# Altium PCB cat.PcbDoc (part 1 of 3) (continued)
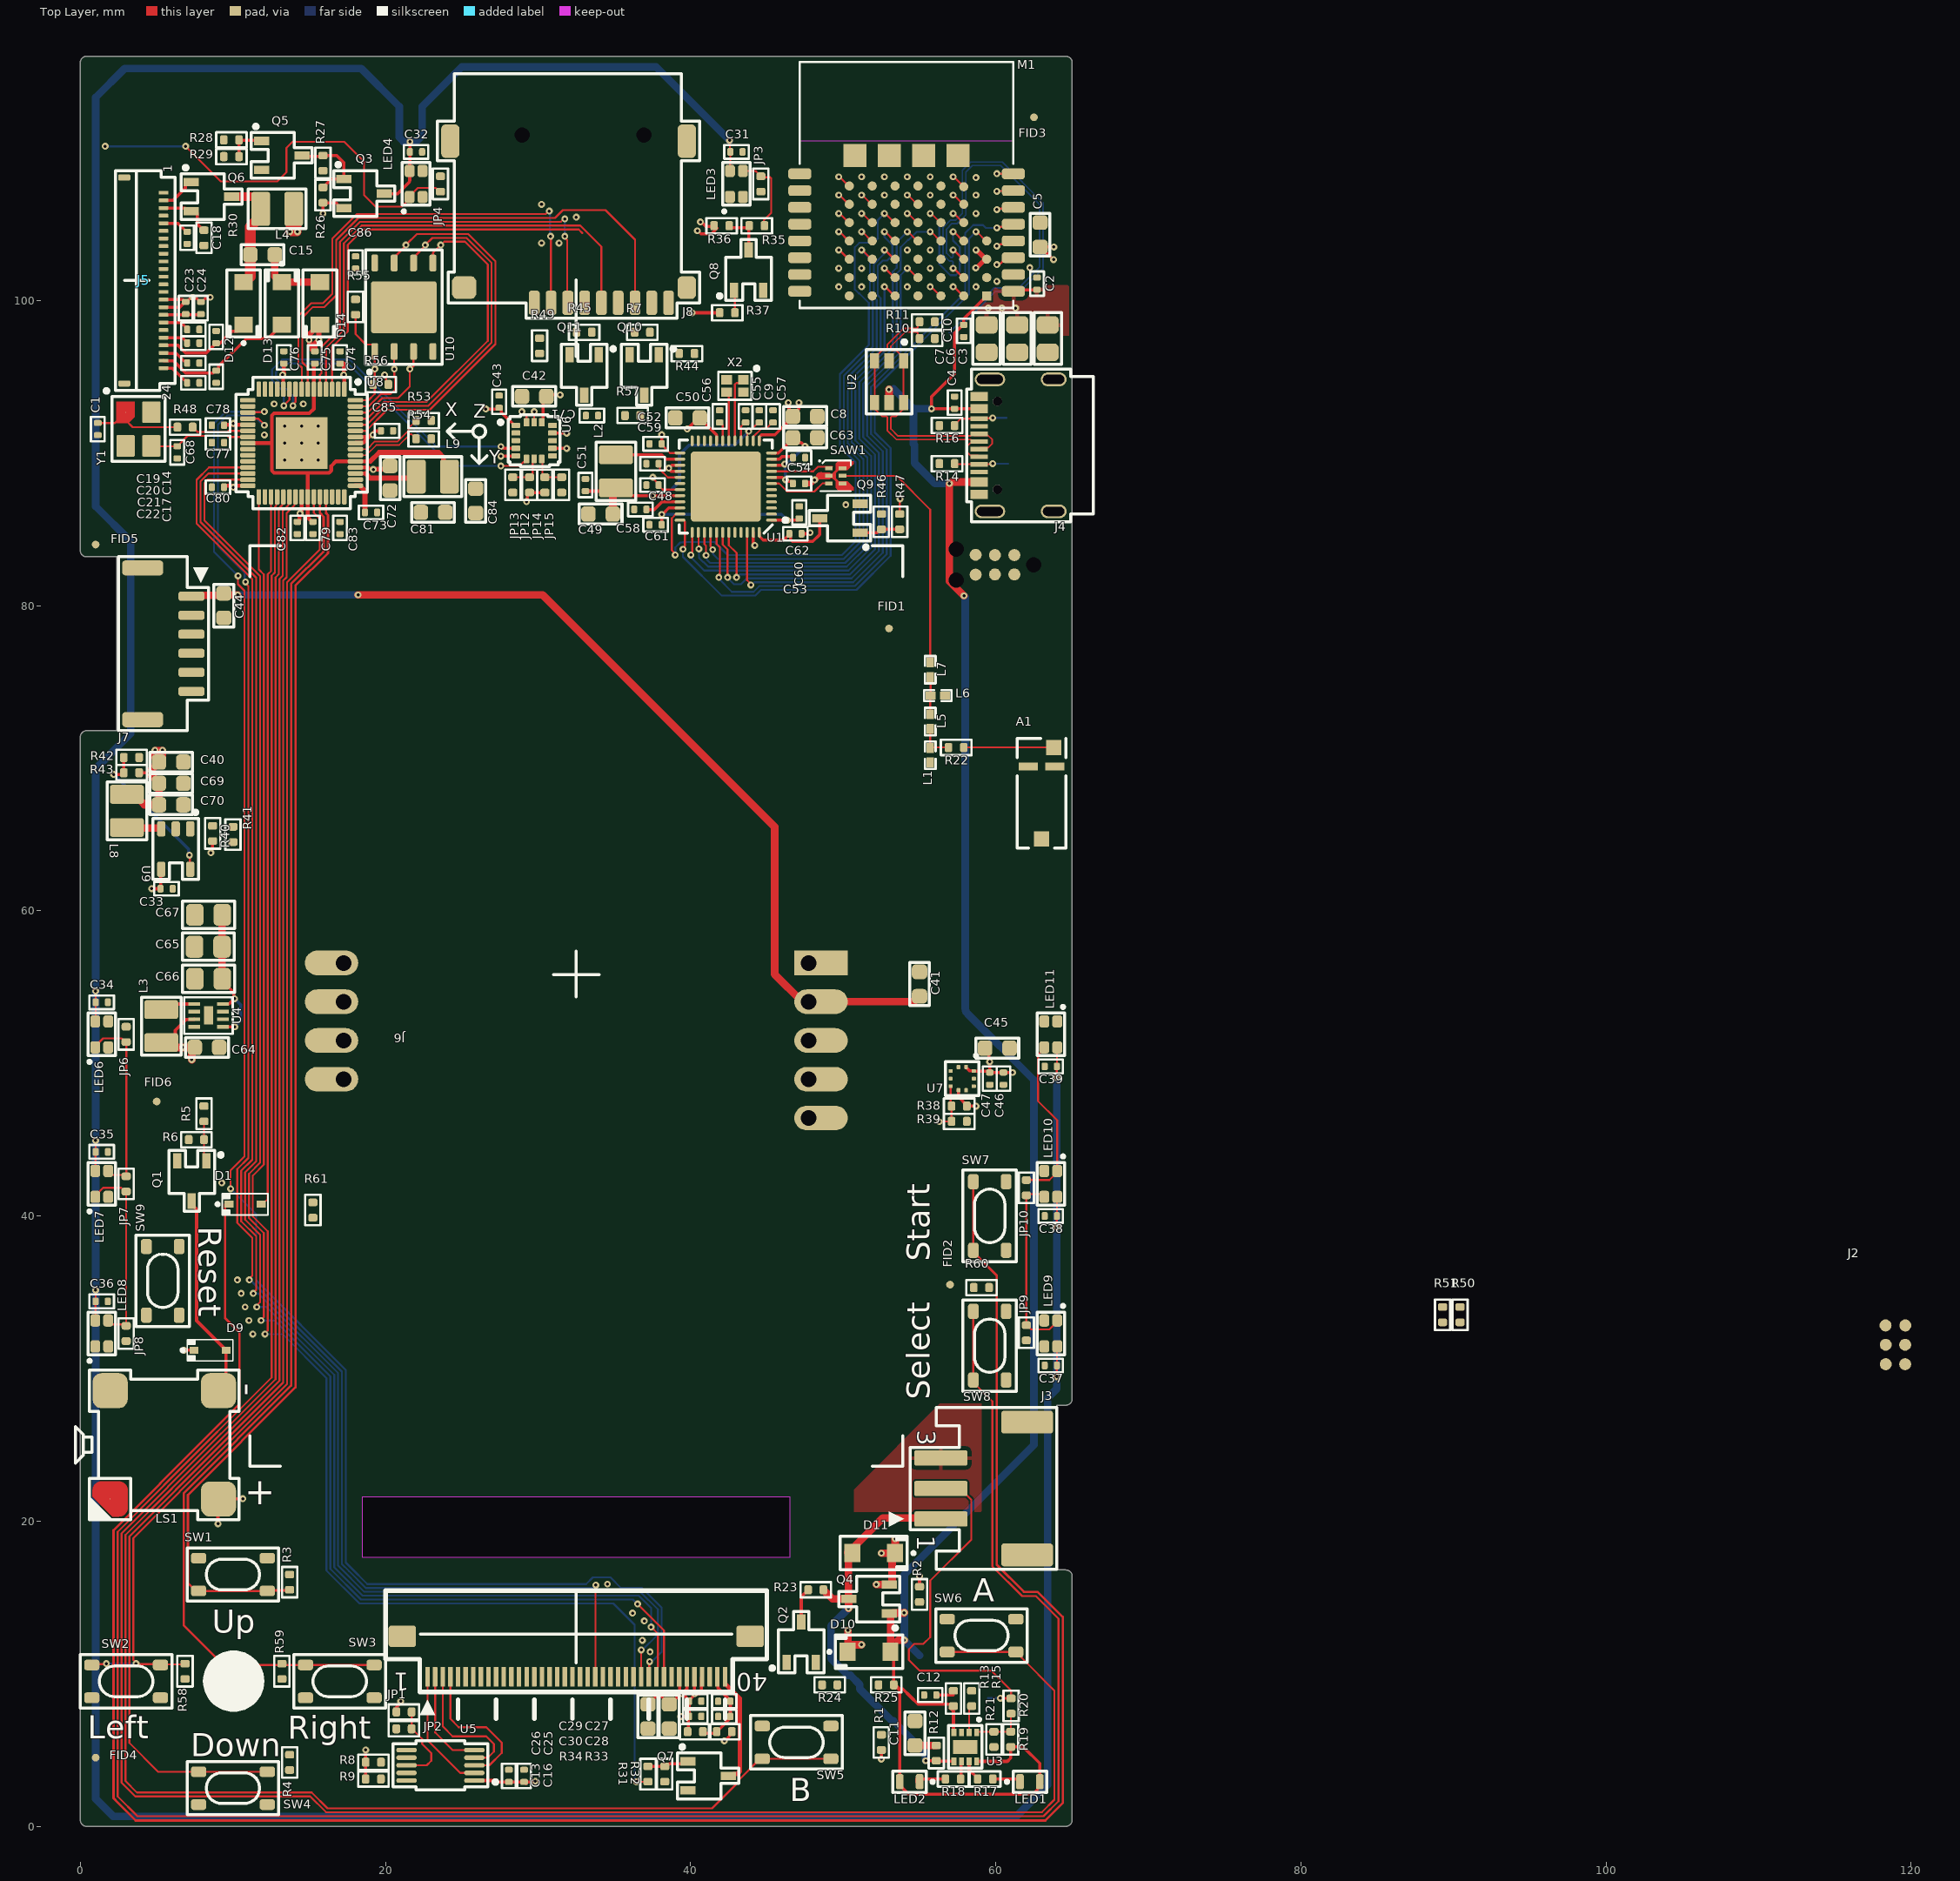
[diagram p0: Top Layer view]
## Design rules (kind name [scope] priority, off if disabled: settings)
BoardOutlineClearance ignore_silkscreen [OnLayer('Top Overlay') OR OnLayer('Bottom Overlay')] p1: gap=0 ignorepadtopadclearanceinfootprint=FALSE
BoardOutlineClearance [All] p2: gap=0.2 ignorepadtopadclearanceinfootprint=FALSE
Clearance HV_clearance [InNetClass('HV')] p1: gap=0.1 ignorepadtopadclearanceinfootprint=TRUE except(0.5: Arc-Arc Arc-Track Arc-SMDPad Arc-THPad Arc-Via Arc-Fill Arc-Poly Arc-Region Arc-Text Arc-Hole Track-Track Track-SMDPad Track-THPad Track-Via Track-Fill Track-Poly Track-Region Track-Text Track-Hole; 1.2: SMDPad-SMDPad SMDPad-THPad THPad-THPad)
Clearance rf_nonsense_3 [HasFootprint('ANTENNA_FILTER')       OR HasFootprint('ANTENNA')] p2: gap=0 ignorepadtopadclearanceinfootprint=FALSE
Clearance 5v_polygon_clearance [(InNet('+5V') AND InPolygon)] p3: gap=0.254 ignorepadtopadclearanceinfootprint=FALSE
Clearance fiducial [HasFootprint('fiducial-0.5')] p4: gap=0.5 ignorepadtopadclearanceinfootprint=FALSE
Clearance outer_layer_clearance [OnLayer('Bottom Layer')   OR OnLayer('Top Layer')] p5: gap=0.127 ignorepadtopadclearanceinfootprint=TRUE except(0.152: Arc-THPad Arc-Via Arc-Text Arc-Hole Track-THPad Track-Via Track-Text Track-Hole SMDPad-SMDPad SMDPad-THPad SMDPad-Via SMDPad-Text SMDPad-Hole THPad-Text Via-Text Fill-Text Fill-Hole Poly-Text Poly-Hole Region-Text Region-Hole Text-Text Text-Hole; 0.231: Via-Hole; 0.356: THPad-THPad THPad-Via THPad-Hole)
Clearance inner_layer_clearance [All] p6: gap=0.152 ignorepadtopadclearanceinfootprint=TRUE except(0.102: Arc-Arc Arc-Track Track-Track; 0.127: Arc-Fill Arc-Poly Arc-Region Track-Fill Track-Poly Track-Region SMDPad-Fill SMDPad-Poly SMDPad-Region THPad-Fill THPad-Poly THPad-Region Via-Via Via-Fill Via-Poly Via-Region Fill-Fill Fill-Poly Fill-Region Poly-Poly Poly-Region Region-Region; 0.231: Via-Hole; 0.356: THPad-THPad THPad-Via THPad-Hole)
ComponentClearance fiducial_clearance [HasFootprint('FIDUCIAL')] p1: gap=0 collisioncheckmode=3 verticalgap=0 showdistances=FALSE
ComponentClearance [All] p2: gap=0.17 collisioncheckmode=3 verticalgap=0.254 showdistances=FALSE
DiffPairsRouting [All] p1: maxlimit=0.127 minlimit=0.127 mostfreqgap=0.127 toplayer_minwidth=0.105 toplayer_maxwidth=0.105 toplayer_prefwidth=0.105 midlayer1_minwidth=0.093 midlayer1_maxwidth=0.093 midlayer1_prefwidth=0.093 midlayer2_minwidth=0.093 midlayer2_maxwidth=0.093 midlayer2_prefwidth=0.093 bottomlayer_minwidth=0.105 bottomlayer_maxwidth=0.105 bottomlayer_prefwidth=0.105 impedanceprofiledriven=TRUE impedanceprofileid={DAE47B77-B9C6-40A8-8105-E02AD20DBAE9} impedanceprofilevalue=90.000000 maxuncoupledlength=12.7
HoleSize [All] p1: absolutevalues=TRUE maxlimit=1288.839 minlimit=0.2 maxpercent=80.000 minpercent=20.000
HoleToHoleClearance via-to-via_clearance [IsVia] p1: gap=0.2 allowstackedmicrovias=TRUE
HoleToHoleClearance [All] p2: gap=0.35 allowstackedmicrovias=TRUE
MinimumAnnularRing wurth_usb-c [HasFootprint('632723300011')] p1: minimumring=0.125
MinimumAnnularRing via_annular_ring [IsVia] p2: minimumring=0.1
MinimumAnnularRing annular_ring [All] p3: minimumring=0.13
MinimumSolderMaskSliver [All] p1: minsoldermaskwidth=0
NetAntennae rf_nonsense2 [InNet('GPIO69')] p1: netantennaetolerance=5
NetAntennae [All] p2: netantennaetolerance=0
PlaneConnect [All] p1: pad.planeconnectstyle=Relief pad.reliefexpansion=0.508 pad.reliefentries=4 pad.reliefconductorwidth=0.254 pad.reliefairgap=0.254 via.planeconnectstyle=Direct via.reliefexpansion=0.508 via.reliefentries=4 via.reliefconductorwidth=0.254 via.reliefairgap=0.254
PolygonConnect art_polygons [OnLayer('Art Purple')        or OnLayer('Art Pink')] p1: connectstyle=Direct reliefconductorwidth=0.254 reliefentries=4 polygonreliefangle="90 Angle" airgapwidth=0.254
PolygonConnect antenna [HasFootprint('ANTENNA')] p2: connectstyle=Direct reliefconductorwidth=0.254 reliefentries=4 polygonreliefangle="90 Angle" airgapwidth=0.254
PolygonConnect trinamic [InPadClass('thermal_pad')] p3: connectstyle=Direct reliefconductorwidth=0.254 reliefentries=4 polygonreliefangle="90 Angle" airgapwidth=0.254
PolygonConnect mounting_holes [HasFootprint('m3_hole')] p4: connectstyle=Direct reliefconductorwidth=0.254 reliefentries=4 polygonreliefangle="90 Angle" airgapwidth=0.254
PolygonConnect 5v_polygons [InNet('+5V')] p5: thpad.connectstyle=Relief thpad.reliefconductorwidth=0.508 thpad.reliefentries=4 thpad.polygonreliefangle="45 Angle" thpad.airgapwidth=0.254 smdpad.connectstyle=Relief smdpad.reliefconductorwidth=0.508 smdpad.reliefentries=4 smdpad.polygonreliefangle="90 Angle" smdpad.airgapwidth=0.254 via.connectstyle=Direct via.reliefconductorwidth=0.254 via.reliefentries=4 via.polygonreliefangle="90 Angle" via.airgapwidth=0.254
PolygonConnect [All] p6: thpad.connectstyle=Relief thpad.reliefconductorwidth=0.254 thpad.reliefentries=4 thpad.polygonreliefangle="45 Angle" thpad.airgapwidth=0.254 smdpad.connectstyle=Relief smdpad.reliefconductorwidth=0.254 smdpad.reliefentries=4 smdpad.polygonreliefangle="90 Angle" smdpad.airgapwidth=0.254 via.connectstyle=Direct via.reliefconductorwidth=0.254 via.reliefentries=4 via.polygonreliefangle="90 Angle" via.airgapwidth=0.254
RoutingVias [All] p1: holewidth=0.2 width=0.45 viastyle="Through Hole" minholewidth=0.2 minwidth=0.45 maxholewidth=0.3 maxwidth=3
ShortCircuit rf_nonsense [InNet('Net*_MAGIC_IN')] p1: allowed=TRUE
ShortCircuit [All] p2: allowed=FALSE
SilkToSilkClearance [All] p1: silktosilkclearance=0
SilkToSolderMaskClearance [IsPad] p1: minsilkscreentomaskgap=0 clearancetoexposedcopper=TRUE
SolderMaskExpansion SolderMask_ViaTent [IsVia] p1: expansion=0.102 istentingtop=TRUE
SolderMaskExpansion [All] p2: expansion=0.05 istentingtop=FALSE
Width 50Z [InNetClass('RF')] p1: maxlimit=0.119 minlimit=0.104 preferedwidth=0.119 toplayer_minwidth=0.119 midlayer1_maxwidth=0.104 midlayer1_prefwidth=0.104 midlayer2_maxwidth=0.104 midlayer2_prefwidth=0.104 bottomlayer_minwidth=0.119 impedanceprofiledriven=TRUE impedanceprofileid={4F6D7264-9E3B-4977-9862-53ED1651440D} impedanceprofilevalue=50.000000 minimp=50.000000 maximp=50.000000 favimp=50.000000
Width Width_1 [All] p2: maxlimit=3 minlimit=0.102 preferedwidth=0.127
20 further rules are at their usual default settings.

## Classes and differential pairs
component class radios: A1 C2 C3 C4 C5 C6 C7 C8 C9 C48 C49 C50 C51 C52 C53 C54 C55 C56 C57 C58 C59 C60 C61 C62 C63 J1 L1 L2 L5 L6 L7 M1 Q9 R8 R9 R10 R11 R22 R46 R47 SAW1 U1 X2
net class RF: ANTWIFI NetL1_2 NetL5_2 NetL7_2 NetSAW1_1 NetSAW1_3
component class sensors: C41 C42 C43 C44 C45 C46 C47 J7 JP12 JP13 JP14 JP15 M2 R38 R39 U6 U7
component class blinkenlights: C31 C32 C34 C35 C36 C37 C38 C39 JP3 JP4 JP6 JP7 JP8 JP9 JP10 LED3 LED4 LED6 LED7 LED8 LED9 LED10 LED11 Q8 R35 R36 R37 s
component class display: a C13 C14 C15 C16 C17 C18 C19 C20 C21 C22 C23 C24 C25 C26 C27 C28 C29 C30 D12 D13 D14 J5 J6 JP1 JP2 L4 Q6 Q7 R30 R31 R32 R33 R34 U5
differential pair class USB_DIFF: 2350 nRF USB0 USB1
net class 90_OHM: 2350_D+ 2350_D- nRF_D+ nRF_D- USB0_D+ USB0_D- USB1_D+ USB1_D-
component class power: C10 C11 C12 C33 C40 C64 C65 C66 C67 C69 C70 D10 D11 J3 J4 L3 L8 LED1 LED2 Q2 Q3 Q4 Q5 Q10 Q11 R7 R12 R13 R14 R15 R16 R17 R18 R19 R20 R21 R23 R24 R25 R26 R27 R28 R29 R40 R41 R42 R43 R44 R45 R57 U2 U3 U4 U9
component class microcontroller: C1 C68 C71 C72 C73 C74 C75 C76 C77 C78 C79 C80 C81 C82 C83 C84 C85 C86 FID1 FID2 FID3 FID4 FID5 FID6 J2 J8 L9 R48 R49 R50 R51 R53 R54 R55 R56 U8 U10 Y1
component class user_interface: D1 D9 LS1 Q1 R1 R2 R3 R4 R5 R6 R58 R59 R60 R61 SW1 SW2 SW3 SW4 SW5 SW6 SW7 SW8 SW9
differential pair nRF: +nRF_D+ -nRF_D-
differential pair 2350: +2350_D+ -2350_D-
differential pair USB1: +USB1_D+ -USB1_D-
differential pair USB0: +USB0_D+ -USB0_D-

## Components (designator, comment, footprint, x,y, rotation, side; value= is the part's Value field where it differs from the comment)
A1 "" NN03-320 63,67.7 r90 top locked value=NN03-320
C1 "CC0402JRNPO9BN270" 0402_capacitor 1.143,91.567 r90 top value=27pF
C2 "GRM155R71E104KE14D" 0402_capacitor 62.7,101.1 r90 top
C3 "GRT21BR61E226ME13L" 0805_capacitor 63.4,97.5 r90 top value=22μF
C4 "GRM155R71E104KE14D" 0402_capacitor 57.3,93.3 r90 top
C5 "CL10A106MA8NRNC" 0603_capacitor 62.9,104.3 r270 top value=10µF
C6 "GRT21BR61E226ME13L" 0805_capacitor 61.4,97.5 r90 top value=22μF
C7 "GRT21BR61E226ME13L" 0805_capacitor 59.4,97.5 r90 top value=22μF
C8 "C1608X5R1E475K080AC" 0603_capacitor 47.5,92.4 r180 top value=4.7μF
C9 "CL05Y474KP5VPJC" 0402_capacitor 44.5,92.4 r90 top
C10 "GRM155R71E104KE14D" 0402_capacitor 57.9,98 r90 top
C11 "CL10A106MA8NRNC" 0603_capacitor 54.7,6.1 r270 top value=10µF
C12 "CL05A475KP5NRNC" 0402_capacitor 55.7,8.6 r0 top value=4.7µF
C13 "GRM155R61E105KA12D" 0402_capacitor 28.083,3.302 r270 top
C14 "GRM155R61E105KA12D" 0402_capacitor 8.9,97.6 r270 top
C15 "C1608X5R1E475K080AC" 0603_capacitor 11.938,102.997 r0 top value=4.7μF
C16 "GRM155R71E104KE14D" 0402_capacitor 29.083,3.302 r270 top
C17 "GRM155R61E105KA12D" 0402_capacitor 8.9,95 r90 top
C18 "GRM155R61E105KA12D" 0402_capacitor 7,104.1 r90 top
C19 "GRM155R61E105KA12D" 0402_capacitor 7.4,98.1 r180 top
C20 "GRM155R61E105KA12D" 0402_capacitor 7.4,97.2 r180 top
C21 "GRM155R61E105KA12D" 0402_capacitor 7.4,95.9 r180 top
C22 "GRM155R61E105KA12D" 0402_capacitor 7.4,94.6 r180 top
C23 "GRM155R61E105KA12D" 0402_capacitor 6.9,99.5 r90 top
C24 "GRM155R71E104KE14D" 0402_capacitor 7.9,99.5 r90 top
C25 "CL10A106MA8NRNC" 0603_capacitor 38.6,7.2 r90 top value=10µF
C26 "CL10A106MA8NRNC" 0603_capacitor 37.2,7.2 r90 top value=10µF
C27 "GRM155R71E104KE14D" 0402_capacitor 42.2,8.2 r0 top
C28 "GRM155R71E104KE14D" 0402_capacitor 42.2,7.2 r0 top
C29 "GRM155R71E104KE14D" 0402_capacitor 40.3,8.2 r180 top
C30 "GRM155R71E104KE14D" 0402_capacitor 40.3,7.2 r180 top
C31 "GRM155R71E104KE14D" 0402_capacitor 43,109.735 r180 top
C32 "GRM155R71E104KE14D" 0402_capacitor 22,109.735 r180 top
C33 "CL05A475KP5NRNC" 0402_capacitor 5.649,61.446 r180 top value=4.7µF
C34 "GRM155R71E104KE14D" 0402_capacitor 1.4,54 r180 top
C35 "GRM155R71E104KE14D" 0402_capacitor 1.4,44.2 r180 top
C36 "GRM155R71E104KE14D" 0402_capacitor 1.4,34.4 r180 top
C37 "GRM155R71E104KE14D" 0402_capacitor 63.6,30.2 r0 top
C38 "GRM155R71E104KE14D" 0402_capacitor 63.6,40 r0 top
C39 "GRM155R71E104KE14D" 0402_capacitor 63.6,49.8 r0 top
C40 "CL10A106MA8NRNC" 0603_capacitor 5.949,69.746 r180 top value=10µF
C41 "CL10A106MA8NRNC" 0603_capacitor 55,55.2 r270 top value=10µF
C42 "CL10A106MA8NRNC" 0603_capacitor 29.742,93.712 r0 top value=10µF
C43 "GRM155R71E104KE14D" 0402_capacitor 27.442,93.362 r270 top
C44 "CL10A106MA8NRNC" 0603_capacitor 9.4,80 r90 top value=10µF
C45 "CL10A106MA8NRNC" 0603_capacitor 60.1,51 r180 top value=10µF
C46 "GRM155R71E104KE14D" 0402_capacitor 60.5,49 r90 top
C47 "GRM155R71E104KE14D" 0402_capacitor 59.6,49 r90 top
C48 "GRM155R61E105KA12D" 0402_capacitor 37.5,87.9 r0 top
C49 "C1608X5R1E475K080AC" 0603_capacitor 34.1,86 r0 top value=4.7μF
C50 "C1608X5R1E475K080AC" 0603_capacitor 39.8,92.3 r0 top value=4.7μF
C51 "GCM155R71C224KE02D" 0402_capacitor 33.1,87.901 r270 top value=220nF
C52 "GRM155D71C225ME11D" 0402_capacitor 37.7,90.6 r0 top value=2.2μF
C53 "GRM155D71C225ME11D" 0402_capacitor 46.863,84.709 r180 top value=2.2μF
C54 "CL05Y474KP5VPJC" 0402_capacitor 47.1,89.7 r180 top
C55 "GRM155D71C225ME11D" 0402_capacitor 43.6,92.4 r270 top value=2.2μF
C56 "GRM155R61E105KA12D" 0402_capacitor 41.9,92.4 r270 top
C57 "C0402C223K4RECAUTO" 0402_capacitor 45.4,92.4 r90 top value=22nF
C58 "GRM155R61E105KA12D" 0402_capacitor 36.7,86.3 r0 top
C59 "CL05B103KA5NNNC" 0402_capacitor 37.5,89.3 r0 top
C60 "GRM155D71C225ME11D" 0402_capacitor 47.117,86.106 r270 top value=2.2μF
C61 "GRM155R71E104KE14D" 0402_capacitor 37.7,85.3 r180 top
C62 "GRM155R71E104KE14D" 0402_capacitor 47.1,88 r0 top
C63 "C1608X5R1E475K080AC" 0603_capacitor 47.5,91 r180 top value=4.7μF
C64 "C1608X5R1E475K080AC" 0603_capacitor 8.301,51.042 r180 top value=4.7μF
C65 "GRT21BR61E226ME13L" 0805_capacitor 8.384,57.642 r0 top value=22μF
C66 "GRT21BR61E226ME13L" 0805_capacitor 8.401,55.542 r0 top value=22μF
C67 "GRT21BR61E226ME13L" 0805_capacitor 8.401,59.733 r0 top value=22μF
C68 "CC0402JRNPO9BN270" 0402_capacitor 6.35,90.043 r90 top value=27pF
C69 "CL10A106MA8NRNC" 0603_capacitor 5.949,68.346 r180 top value=10µF
C70 "CL10A106MA8NRNC" 0603_capacitor 5.949,66.946 r180 top value=10µF
C71 "GRM155R71E104KE14D" 0402_capacitor 33.528,92.456 r180 top
C72 "CL10A106MA8NRNC" 0603_capacitor 20.3,88.354 r90 top value=10µF
C73 "GRM155R71E104KE14D" 0402_capacitor 19.05,86.106 r180 top
C74 "GRM155R71E104KE14D" 0402_capacitor 17.018,96.266 r270 top
C75 "GRM155R71E104KE14D" 0402_capacitor 15.367,96.266 r270 top
C76 "GRM155R71E104KE14D" 0402_capacitor 13.335,96.266 r270 top
C77 "GRM155R71E104KE14D" 0402_capacitor 9.017,90.678 r0 top
C78 "GRM155R71E104KE14D" 0402_capacitor 9.017,91.821 r0 top
C79 "GRM155R71E104KE14D" 0402_capacitor 15.24,85.09 r90 top
C80 "GRM155R71E104KE14D" 0402_capacitor 9.017,87.757 r0 top
C81 "CL10A106MA8NRNC" 0603_capacitor 23.114,86.106 r0 top value=10µF
C82 "GRM155R71E104KE14D" 0402_capacitor 14.224,85.09 r90 top
C83 "GRM155R71E104KE14D" 0402_capacitor 17.018,85.09 r90 top
C84 "CL10A106MA8NRNC" 0603_capacitor 25.908,86.868 r90 top value=10µF
C85 "GRM155R71E104KE14D" 0402_capacitor 20.1,91.454 r180 top
C86 "GRM155R71E104KE14D" 0402_capacitor 18.034,102.489 r90 top
D1 "BAS316,115" SOD-323 10.795,40.767 r0 top
D9 "BAS316,115" SOD-323 8.5,31.2 r0 top
D10 "SS34FA" SOD-123 51.689,11.43 r0 top
D11 "SS34FA" SOD-123 52,17.9 r180 top
D12 "SS2040FL" SOD-123 10.7,99.8 r90 top
D13 "SS2040FL" SOD-123 13.2,99.8 r270 top
D14 "SS2040FL" SOD-123 15.7,99.8 r90 top
FID1 "fiducial" fiducial-0.5 53,78.5 r90 top
FID2 "fiducial" fiducial-0.5 57,35.5 r90 top
FID3 "fiducial" fiducial-0.5 62.5,112 r90 top
FID4 "fiducial" fiducial-0.5 1,4.5 r90 top
FID5 "fiducial" fiducial-0.5 1,84 r90 top
FID6 "fiducial" fiducial-0.5 5,47.5 r90 top
J1 "SWD Debug" debug_header_dual 62.484,82.677 r180 bottom
J2 "2350 SWD" debug_header_dual 118.963,29.016 r90 top
J3 "Battery Connector" S3B-PH-SM4-TB 59.2,22.137 r270 top
J4 "USB-C" USB_C_2.0_M12 62.4,90.5 r90 top
J5 "E-Paper: E2206KS0E1" E2206KS0E1 32.5,98.835 r0 top locked
J6 "LCD: CH240QV23A-T" CH240QV23A-T 32.5,48 r270 top locked
J7 "SEN55" SM06B-GHS-TB 5,77.5 r270 top
J8 "Micro SD" TF-115YY-BCP9 32,106.343 r180 top locked
JP1 "RC0402FR-070RL" 0402_resistor 21.209,7.493 r0 top value=0Ω
JP2 "RC0402FR-070RL" 0402_resistor 21.209,6.393 r180 top value=0Ω
JP3 "RC0402FR-070RL" 0402_resistor 44.6,107.635 r270 top value=0Ω
JP4 "RC0402FR-070RL" 0402_resistor 23.6,107.635 r270 top value=0Ω
JP6 "RC0402FR-070RL" 0402_resistor 3,51.9 r270 top value=0Ω
JP7 "RC0402FR-070RL" 0402_resistor 3,42.1 r270 top value=0Ω
JP8 "RC0402FR-070RL" 0402_resistor 3,32.3 r270 top value=0Ω
JP9 "RC0402FR-070RL" 0402_resistor 62,32.345 r90 top value=0Ω
JP10 "RC0402FR-070RL" 0402_resistor 62,41.85 r90 top value=0Ω
JP12 "RC0402FR-070RL" 0402_resistor 29.442,87.912 r90 top value=0Ω
JP13 "RC0402FR-070RL" 0402_resistor 28.342,87.912 r270 top value=0Ω
JP14 "RC0402FR-070RL" 0402_resistor 30.442,87.912 r90 top value=0Ω
JP15 "RC0402FR-070RL" 0402_resistor 31.542,87.912 r270 top value=0Ω
L1 "" INDC1005X04L 55.7,70.2 r90 top value=7.5nH
L2 "DFE252012F-3R3M=P2" INDC2520X12N 35.1,88.8 r90 top value=3.3μH
L3 "252012CDMCDDS-1R0MC" INDC2520X12N 5.301,52.442 r90 top value=1.0μH
L4 "PA4335.103NLT" INDC2520X12N 12.9,106 r180 top value=10uH
L5 "" INDC1005X04L 55.7,72.4 r90 top value=2.7nH
L6 "" INDC1005X04L 56.2,74.1 r180 top value=7.5nH
L7 "" INDC1005X04L 55.7,75.8 r90 top value=2.7nH
L8 "252012CDMCDDS-1R0MC" INDC2520X12N 3.049,66.546 r90 top value=1.0μH
L9 "DFE252012F-3R3M=P2" INDC2520X12N 23.1,88.454 r0 top value=3.3μH
LED1 "XL-1608SURC-06" 0603_DIODE 62.23,2.921 r0 top
LED2 "XL-1608UGC-04" 0603_DIODE 54.356,2.921 r180 top
LED3 "E-paper Right" XL-1615RGBC-WS2812B 43,107.635 r90 top
LED4 "E-Paper Left" XL-1615RGBC-WS2812B 22,107.635 r90 top
LED6 "XL-1615RGBC-WS2812B" XL-1615RGBC-WS2812B 1.4,51.9 r90 top
LED7 "WS2812B" XL-1615RGBC-WS2812B 1.4,42.1 r90 top
LED8 "XL-1615RGBC-WS2812B" XL-1615RGBC-WS2812B 1.4,32.3 r90 top
LED9 "WS2812B" XL-1615RGBC-WS2812B 63.6,32.3 r270 top
LED10 "XL-1615RGBC-WS2812B" XL-1615RGBC-WS2812B 63.6,42.1 r270 top
LED11 "WS2812B" XL-1615RGBC-WS2812B 63.6,51.9 r270 top
LS1 "SMD-8503-3627-16" 8585_speaker 5.5,25 r270 top
M1 "nRF5340 Module" BT40 54.15,104.967 r0 top
M2 "CO2 Sensor" 006-0-0008 32.5,51.5 r180 bottom
Q1 "N-FET" SOT95P280X115-3N 7.3,42.3 r270 top
Q2 "N-FET" SOT95P280X115-3N 47.244,12.065 r90 top
Q3 "P-FET" SOT95P280X115-3N 18.6,107 r0 top
Q4 "P-FET" SOT95P280X115-3N 51.7,14.9 r180 top
Q5 "N-FET" SOT95P280X115-3N 13.2,109.5 r0 top
Q6 "N-FET" SOT95P280X115-3N 8.6,106.8 r0 top
Q7 "N-FET" SOT95P280X115-3N 41.148,3.302 r0 top
Q8 "N-FET" SOT95P280X115-3N 43.8,101.992 r90 top
Q9 "P-FET" SOT95P280X115-3N 49.784,85.725 r180 top
Q10 "N-FET" SOT95P280X115-3N 36.957,95.123 r270 top
Q11 "P-FET" SOT95P280X115-3N 33.02,95.123 r270 top
R1 "RC0402FR-075K1L" 0402_resistor 52.5,5.5 r90 top value=5.1kΩ
R2 "RC0402FR-075K1L" 0402_resistor 55,15.2 r270 top value=5.1kΩ
R3 "RC0402FR-075K1L" 0402_resistor 13.716,16.002 r270 top value=5.1kΩ
R4 "RC0402FR-075K1L" 0402_resistor 13.716,4.191 r270 top value=5.1kΩ
R5 "RC0402JR-071KL" 0402_resistor 8.1,46.7 r270 top value=1kΩ
R6 "RC0402FR-0710KL" 0402_resistor 7.6,45 r180 top value=10kΩ
R7 "RC0402FR-0710KL" 0402_resistor 36.83,97.917 r180 top value=10kΩ
R8 "RC0402FR-072K2L" 0402_resistor 19.2,4.2 r0 top value=2.2kΩ
R9 "RC0402FR-072K2L" 0402_resistor 19.2,3.1 r0 top value=2.2kΩ
R10 "RC0402FR-070RL" 0402_resistor 55.5,97.5 r0 top value=0Ω
R11 "RC0402FR-070RL" 0402_resistor 55.5,98.6 r0 top value=0Ω
R12 "0402WGF100KTCE" 0402_resistor 56.1,4.8 r270 top value=1Ω
R13 "0402WGF100KTCE" 0402_resistor 57.22,8.382 r270 top value=1Ω
R14 "RC0402FR-075K1L" 0402_resistor 56.8,89.3 r0 top value=5.1kΩ
R15 "Rset" 0402_resistor 58.42,8.382 r270 top value=1kΩ
R16 "RC0402FR-075K1L" 0402_resistor 56.8,91.8 r0 top value=5.1kΩ
R17 "RC0402JR-071KL" 0402_resistor 59.3,3.1 r180 top value=1kΩ
R18 "RC0402JR-071KL" 0402_resistor 57.2,3.1 r0 top value=1kΩ